# Allegro board T736_DEMO_DBOARD_V0-5-draft.brd (continued)
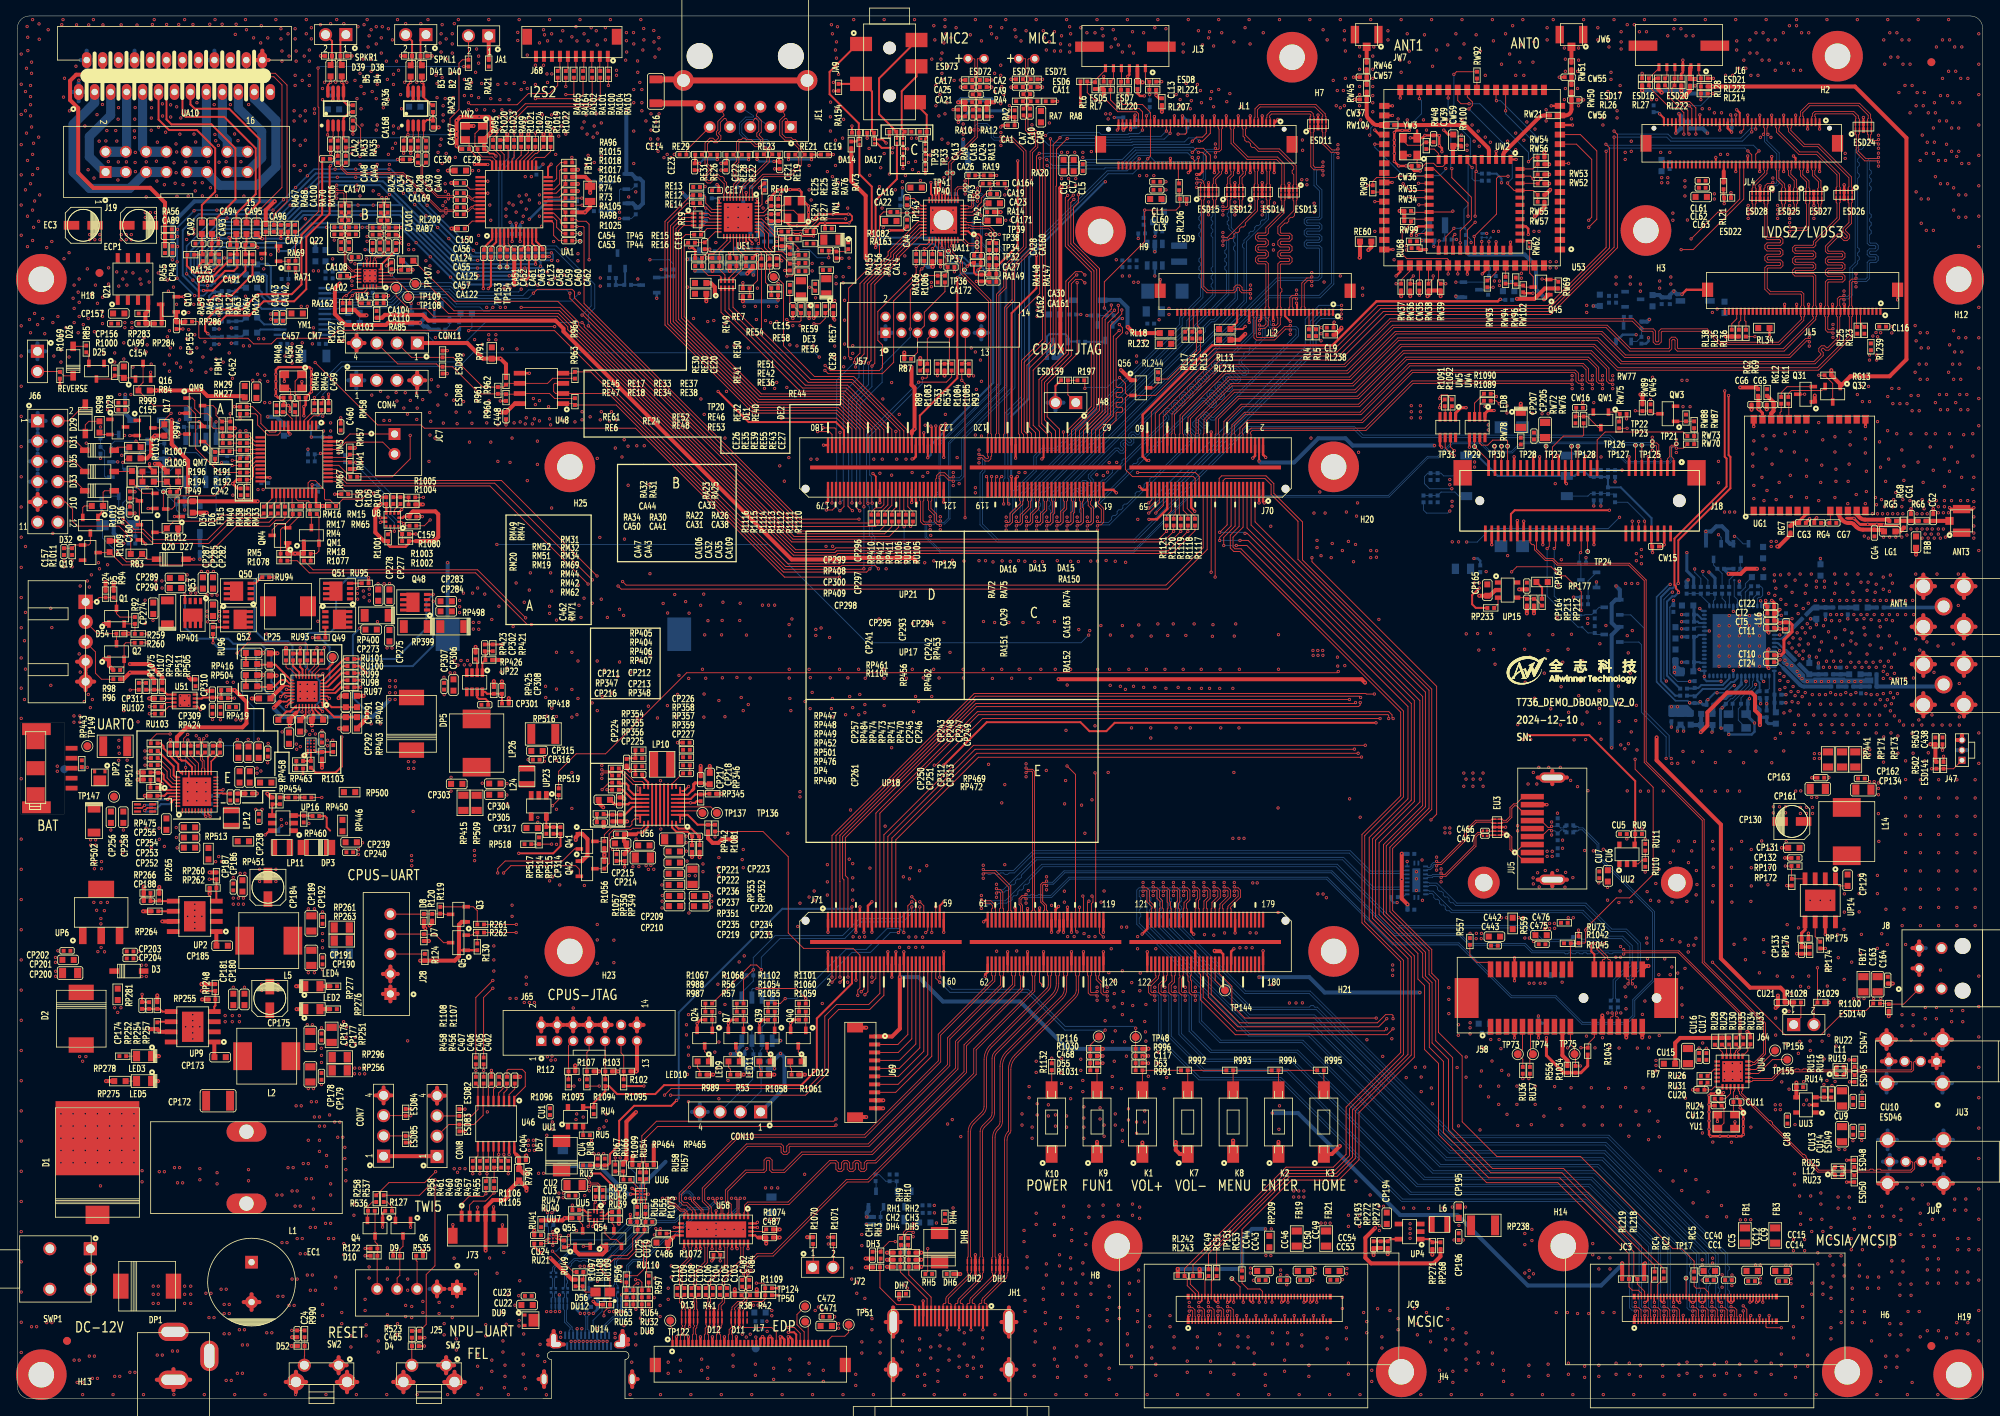
[diagram p0: board, top side]
## Routing (per net, layer and track width the routed paths; a pad name or vN(x,y) marks a point on that pad's centre or on a via; arc(x,y) is an arc through that point) (continued)
GND-BAT:
  vias: v1(20.43,88.09) v1(20.42,86.93) v1(20.95,87.5) v1(21.48,88.09) v1(21.48,86.92)
GND_ADC: length 385.1
  TOP w0.381: CT2.2 CT22.1 219.02,99.5 v1(219.02,100.05) ; v1(219.4,91.54) 219.23,91.71 CT24.1 CT10.1 219.23,93.78 v1(219.4,93.95) ; CT5.2 CT11.2 219.23,96.16 v1(219.4,95.99)
  TOP w0.508: ANT5.2 245.3,92.05 ; ANT5.2 242.4,92.05 ; ANT5.2 243.85,93.5 ; ANT5.2 243.85,90.6 ; ANT5.3 240.22,92.05 ; ANT5.3 238.77,90.6 ; ANT5.3 238.77,93.5 ; ANT5.3 237.32,92.05 ; 242.4,86.97 ANT5.5 ; ANT5.5 243.85,85.52 ; ANT5.5 245.3,86.97 ; ANT5.5 243.85,88.42 ; 242.4,101.83 ANT4.2 ; ANT4.2 243.85,100.38 ; ANT4.2 243.85,103.28 ; ANT4.2 245.3,101.83 ; ANT4.4 240.22,96.75 ; ANT4.4 237.32,96.75 ; ANT4.4 238.77,98.2 ; ANT4.4 238.77,95.3 ; ANT4.5 245.3,96.75 ; ANT4.5 243.85,98.2 ; ANT4.5 243.85,95.3 ; ANT4.5 242.4,96.75 ; 237.32,86.97 ANT5.4 ; ANT5.4 240.22,86.97 ; ANT5.4 238.77,85.52 ; ANT5.4 238.77,88.42 ; 237.32,101.83 ANT4.3 ; ANT4.3 238.77,103.28 ; ANT4.3 240.22,101.83 ; ANT4.3 238.77,100.38
  L2GND w0.508: ANT4.5 243.85,98.2 ; ANT4.5 243.85,95.3 ; ANT4.5 242.4,96.75 ; ANT4.5 245.3,96.75 ; ANT5.2 243.85,93.5 ; ANT5.2 242.4,92.05 ; ANT5.2 245.3,92.05 ; ANT5.2 243.85,90.6 ; ANT4.3 238.77,103.28 ; ANT4.3 237.32,101.83 ; ANT4.3 240.22,101.83 ; ANT4.3 238.77,100.38 ; 237.32,92.05 ANT5.3 ; ANT5.3 238.77,90.6 ; ANT5.3 240.22,92.05 ; ANT5.3 238.77,93.5 ; 243.85,85.52 ANT5.5 ; ANT5.5 242.4,86.97 ; ANT5.5 245.3,86.97 ; ANT5.5 243.85,88.42 ; ANT4.2 243.85,103.28 ; ANT4.2 243.85,100.38 ; ANT4.2 242.4,101.83 ; ANT4.2 245.3,101.83 ; 238.77,95.3 ANT4.4 ; ANT4.4 240.22,96.75 ; ANT4.4 237.32,96.75 ; ANT4.4 238.77,98.2 ; ANT5.4 240.22,86.97 ; ANT5.4 238.77,88.42 ; ANT5.4 238.77,85.52 ; ANT5.4 237.32,86.97
  L3 w0.508: 242.4,96.75 ANT4.5 ; ANT4.5 245.3,96.75 ; ANT4.5 243.85,95.3 ; ANT4.5 243.85,98.2 ; 242.4,92.05 ANT5.2 ; ANT5.2 243.85,90.6 ; ANT5.2 243.85,93.5 ; ANT5.2 245.3,92.05 ; ANT5.5 243.85,88.42 ; ANT5.5 243.85,85.52 ; ANT5.5 242.4,86.97 ; ANT5.5 245.3,86.97 ; 243.85,100.38 ANT4.2 ; ANT4.2 245.3,101.83 ; ANT4.2 242.4,101.83 ; ANT4.2 243.85,103.28 ; 238.77,90.6 ANT5.3 ; ANT5.3 238.77,93.5 ; ANT5.3 240.22,92.05 ; ANT5.3 237.32,92.05 ; ANT5.4 240.22,86.97 ; ANT5.4 237.32,86.97 ; ANT5.4 238.77,88.42 ; ANT5.4 238.77,85.52 ; 237.32,101.83 ANT4.3 ; ANT4.3 238.77,103.28 ; ANT4.3 238.77,100.38 ; ANT4.3 240.22,101.83 ; ANT4.4 238.77,98.2 ; ANT4.4 237.32,96.75 ; ANT4.4 240.22,96.75 ; ANT4.4 238.77,95.3
  L4 w0.508: ANT4.2 243.85,103.28 ; ANT4.2 243.85,100.38 ; ANT4.2 245.3,101.83 ; ANT4.2 242.4,101.83 ; ANT5.3 238.77,93.5 ; ANT5.3 238.77,90.6 ; ANT5.3 240.22,92.05 ; ANT5.3 237.32,92.05 ; ANT5.4 238.77,88.42 ; ANT5.4 237.32,86.97 ; ANT5.4 238.77,85.52 ; ANT5.4 240.22,86.97 ; 238.77,95.3 ANT4.4 ; ANT4.4 237.32,96.75 ; ANT4.4 240.22,96.75 ; ANT4.4 238.77,98.2 ; ANT5.5 245.3,86.97 ; ANT5.5 242.4,86.97 ; ANT5.5 243.85,88.42 ; ANT5.5 243.85,85.52 ; ANT4.3 238.77,103.28 ; ANT4.3 237.32,101.83 ; ANT4.3 238.77,100.38 ; ANT4.3 240.22,101.83 ; ANT5.2 245.3,92.05 ; ANT5.2 243.85,93.5 ; ANT5.2 243.85,90.6 ; ANT5.2 242.4,92.05 ; ANT4.5 245.3,96.75 ; ANT4.5 243.85,98.2 ; ANT4.5 243.85,95.3 ; ANT4.5 242.4,96.75
  L5GND w0.508: 238.77,90.6 ANT5.3 ; ANT5.3 237.32,92.05 ; ANT5.3 240.22,92.05 ; ANT5.3 238.77,93.5 ; 243.85,100.38 ANT4.2 ; ANT4.2 243.85,103.28 ; ANT4.2 242.4,101.83 ; ANT4.2 245.3,101.83 ; 238.77,85.52 ANT5.4 ; ANT5.4 240.22,86.97 ; ANT5.4 237.32,86.97 ; ANT5.4 238.77,88.42 ; ANT4.4 240.22,96.75 ; ANT4.4 238.77,95.3 ; ANT4.4 238.77,98.2 ; ANT4.4 237.32,96.75 ; 242.4,92.05 ANT5.2 ; ANT5.2 243.85,90.6 ; ANT5.2 245.3,92.05 ; ANT5.2 243.85,93.5 ; ANT4.3 240.22,101.83 ; ANT4.3 237.32,101.83 ; ANT4.3 238.77,100.38 ; ANT4.3 238.77,103.28 ; 242.4,96.75 ANT4.5 ; ANT4.5 243.85,98.2 ; ANT4.5 243.85,95.3 ; ANT4.5 245.3,96.75 ; 242.4,86.97 ANT5.5 ; ANT5.5 245.3,86.97 ; ANT5.5 243.85,85.52 ; ANT5.5 243.85,88.42
  BOTTOM w0.114: v1(216.56,89.92) 216.56,89.44 214.85,87.73 214.66,87.73 CT33.2 ; 216.99,88.39 v1(216.99,87.73)
  BOTTOM w0.127: v1(206.58,89.94) 206.27,90.25 206.27,100.18 207.19,101.09 v1(207.34,101.09) ; v1(209.5,89.89) 207.97,89.89 207.01,90.86 207.01,99.18 207.26,99.44 207.45,99.44 CT8.1 ; v1(217.75,89.51) 217.75,89.15 216.99,88.39
  BOTTOM w0.152: v1(220.77,93.75) 220.77,93.83 220.38,94.22 UT1.10
  BOTTOM w0.178: v1(212.93,88.47) 213.99,88.47 214.02,88.5 214.02,88.5 214.9,89.37 v1(215.09,89.37)
  BOTTOM w0.203: v1(207.06,102.06) 206.93,102.06 205.36,100.48 205.36,89.84 207.72,87.48 209.24,87.48 v1(209.5,87.22)
  BOTTOM w0.254: UT1.19 218.47,90.19 v1(218.77,89.89) ; UT1.48 211.08,98.72 v1(210.77,99.03) ; UT1.11 219.64,93.72 v1(219.4,93.95) ; UT1.15 219.58,91.72 v1(219.4,91.54) ; UT1.23 216.47,90 v1(216.56,89.92) ; UT1.2 220.93,98.22 v1(220.98,98.17) ; UT1.63 218.97,100 v1(219.02,100.05) ; UT1.6 219.64,96.22 v1(219.4,95.99) ; v1(210.69,91.41) 210.89,91.22 UT1.33 v1(211.34,90.53) 211.34,90.21 211.62,89.92 v1(213.43,89.92) ; UT1.7 v1(220.79,95.72) ; v1(212.93,88.47) 212.65,88.47 v1(211.78,87.6) ; UT1.26 v1(214.97,91.27) ; UT1.62 218.47,99.92 v1(218.39,100)
  BOTTOM w0.305: v1(217.63,84.68) 217.63,83.6 217.27,83.25 v1(214.4,83.25) ; UT1.55 v1(214.97,98.68) ; UT1.43 v1(211.96,96.22)
  BOTTOM w0.381: v1(225.37,97) L17.2 v1(224.64,97.74) ; CT35.2 v1(207.21,84.18) ; CT33.2 214.03,87.05 v1(213.56,86.59) 213.36,86.39 213.36,84.12 v1(213.43,84.05) 213.45,84.06 Y4.2 214.37,83.28 v1(214.4,83.25) ; CT36.2 212.37,83.62 v1(212.29,83.54) ; v1(221.56,88.24) CT27.1 ; CT30.1 v1(219.15,87.1) CT37.2 ; L19.1 v1(224.48,93.07) ; v1(208.74,83.67) 208.74,84.1 CT34.2 207.97,84.1 v1(207.97,83.67) ; CT8.1 v1(207.47,100.05) ; v1(229.31,97.73) CT13.1 ; v1(218.39,87.1) 218.39,87.69 CT29.1 ; CT12.2 v1(208.48,96.49) ; v1(209.5,89.89) 209.54,89.93 CT39.2 ; v1(226.52,97.64) RT11.2 ; v1(221.56,87.22) CT28.1 ; CT7.1 v1(208.48,97.38) ; v1(216.99,87.73) 216.78,87.52 CT32.2 216.78,86.02 Y4.4 216.57,85.74 v1(217.63,84.68) ; v1(225.63,92.21) RT12.1 ; CT26.2 v1(208.48,92.3) ; CT6.1 v1(208.48,98.27) ; CT14.1 v1(208.48,95.48) ; v1(211.78,87.6) 211.61,87.43 CT31.1 211.19,86.97 v1(210.81,87.35) 210.64,87.18 CT38.2 209.54,87.18 v1(209.5,87.22) ; CT21.1 227.83,91.63 v1(227.79,91.67) ; CT1.2 v1(215.72,102.46)
  BOTTOM w0.508: ANT4.5 243.85,98.2 ; ANT4.5 243.85,95.3 ; ANT4.5 245.3,96.75 ; ANT4.5 242.4,96.75 ; ANT4.4 238.77,98.2 ; ANT4.4 237.32,96.75 ; ANT4.4 240.22,96.75 ; ANT4.4 238.77,95.3 ; 243.85,100.38 ANT4.2 ; ANT4.2 242.4,101.83 ; ANT4.2 243.85,103.28 ; ANT4.2 245.3,101.83 ; ANT5.5 243.85,88.42 ; ANT5.5 242.4,86.97 ; ANT5.5 243.85,85.52 ; ANT5.5 245.3,86.97 ; 238.77,90.6 ANT5.3 ; ANT5.3 238.77,93.5 ; ANT5.3 240.22,92.05 ; ANT5.3 237.32,92.05 ; 242.4,92.05 ANT5.2 ; ANT5.2 243.85,90.6 ; ANT5.2 245.3,92.05 ; ANT5.2 243.85,93.5 ; ANT4.3 240.22,101.83 ; ANT4.3 238.77,103.28 ; ANT4.3 238.77,100.38 ; ANT4.3 237.32,101.83 ; 237.32,86.97 ANT5.4 ; ANT5.4 238.77,88.42 ; ANT5.4 240.22,86.97 ; ANT5.4 238.77,85.52
  vias: v1(213.18,96.88) v1(213.18,95.61) v1(213.18,94.34) v1(213.18,93.07) v1(213.18,91.8) v1(214.45,98.15) v1(214.45,96.88) v1(214.45,95.61) v1(214.45,94.34) v1(214.45,93.07) v1(214.45,91.8) v1(215.72,98.15) v1(215.72,96.88) v1(215.72,95.61) v1(215.72,94.34) v1(215.72,93.07) v1(215.72,91.8) v1(216.99,98.15) v1(216.99,96.88) v1(216.99,95.61) v1(216.99,94.34) v1(216.99,93.07) v1(216.99,91.8) v1(218.26,98.15) v1(218.26,96.88) v1(218.26,95.61) v1(218.26,94.34) v1(218.26,93.07) v1(218.26,91.8) v1(219.4,100.94) v1(220.11,103.25) v1(220.11,102.49) v1(220.17,100.69) v1(220.29,101.57) v1(220.8,90.91) v1(220.8,90.02) v1(220.8,88.87) v1(220.88,103.25) v1(220.93,100.18) v1(221.31,90.53) v1(221.31,85.95) v1(221.44,92.56) v1(221.44,89.13) v1(221.56,101.83) v1(221.56,99.54) v1(221.69,92.05) v1(221.82,89.89) v1(221.94,103.35) v1(221.94,94.72) v1(222.07,86.21) v1(222.2,88.62) v1(222.32,101.07) v1(222.32,97.76) v1(222.32,94.08) v1(222.3,91.87) v1(222.32,87.35) v1(222.45,95.35) v1(222.45,89.26) v1(222.63,84.48) v1(222.71,102.59) v1(222.71,88.11) v1(222.83,99.42) v1(222.83,93.57) v1(222.96,95.99) v1(222.96,91.16) v1(223.09,98.4) v1(223.09,88.62) v1(223.09,87.22) v1(223.14,85.67) v1(223.21,94.46) v1(223.21,93.19) v1(223.21,90.65) v1(223.34,103.35) v1(223.34,95.22) v1(223.59,96.62) v1(223.57,90.25) v1(223.59,87.99) v1(223.72,99.03) v1(223.72,93.7) v1(223.67,92.74) v1(223.98,100.94) v1(223.98,95.99) v1(223.98,88.49) v1(224.03,84.48) v1(224.1,101.96) v1(224.23,97.13) v1(224.23,89.89) v1(224.36,99.69) v1(224.36,94.59) v1(224.51,87.05) v1(224.61,96.62) v1(224.74,103.35) v1(224.86,88.24) v1(225.04,85.67) v1(225.12,95.48) v1(225.25,100.05) v1(225.25,89.89) v1(225.37,102.46) v1(225.37,101.7) v1(225.37,92.94) v1(225.75,93.83) v1(225.75,88.24) v1(225.91,87.05) v1(225.93,84.48) v1(226.01,94.84) v1(226.01,89.89) v1(226.26,100.05) v1(226.26,96.88) v1(226.26,91.67) v1(226.39,102.46) v1(226.39,101.7) v1(226.44,85.67) v1(226.52,88.24) v1(226.64,92.43) v1(226.9,96.11) v1(226.9,89.89) v1(227.02,91.67) v1(227.15,98.27) v1(227.15,88.49) v1(227.18,87.05) v1(227.28,100.05) v1(227.28,97.51) v1(227.28,93.7) v1(227.33,84.48) v1(227.53,92.43) v1(227.66,103.35) v1(227.66,100.94) v1(227.66,89.89) v1(227.71,85.67) v1(227.79,102.21) v1(227.79,95.35) v1(227.79,88.24) v1(227.91,98.27) v1(228.29,100.05) v1(228.29,97.51) v1(228.42,92.43) v1(228.42,88.24) v1(228.55,98.27) v1(228.55,89.89) v1(228.57,87.05) v1(228.6,84.48) v1(228.67,94.46) v1(228.93,96.37) v1(229.06,103.35) v1(229.06,88.49) v1(229.11,85.67) v1(229.18,100.05) v1(229.18,91.67) v1(229.31,102.08) v1(229.44,89.89) v1(229.56,93.45) v1(229.69,94.97) v1(229.69,92.3) v1(229.69,88.24) v1(229.82,95.99) v1(229.94,101.07) v1(229.99,84.48) v1(230.07,100.05) v1(230.07,98.27) v1(230.1,87.05) v1(230.2,91.67) v1(230.2,89.89) v1(230.33,94.59) v1(230.33,88.49) v1(230.45,97.64) v1(230.58,103.35) v1(230.63,85.67) v1(230.71,92.3) v1(230.83,100.05) v1(230.96,102.34) v1(230.96,98.27) v1(230.96,89.89) v1(231.09,91.67) v1(231.34,97.76) v1(231.34,96.62) v1(231.47,95.73) v1(231.49,87.05) v1(231.52,84.48) v1(231.6,92.3) v1(231.6,88.37) v1(231.72,101.32) v1(231.72,100.05) v1(231.72,98.27) v1(231.72,93.32) v1(231.85,102.34) v1(231.98,91.67) v1(232.03,85.67) v1(232.1,94.46) v1(232.23,103.35) v1(232.23,97.64) v1(232.23,88.24) v1(232.48,92.3) v1(232.61,100.05) v1(232.61,98.27) v1(232.74,101.07) v1(232.76,87.05) v1(232.87,102.08) v1(232.87,91.67) v1(232.92,84.48) v1(232.99,88.24) v1(233.12,95.61) v1(233.25,97.51) v1(233.3,85.67) v1(233.37,100.05) v1(233.37,96.75) v1(233.37,92.43) v1(233.37,87.6) v1(233.5,94.08) v1(233.63,98.27) v1(233.75,102.97) v1(233.75,101.45) v1(233.75,91.16) v1(233.75,90.27) v1(233.75,88.37) v1(233.88,91.8) v1(234.01,86.84) v1(234.14,100.05) v1(234.14,97.64) v1(234.19,84.48) v1(234.26,90.78) v1(234.26,87.6) v1(234.39,92.43) v1(234.52,101.19) v1(234.52,98.27) v1(234.52,95.61) v1(234.64,103.23) v1(234.64,90.27) v1(234.64,88.49) v1(234.64,86.21) v1(234.77,91.67) v1(234.77,87.1) v1(234.9,102.21) v1(234.9,100.05) v1(234.9,97.51) v1(235.02,87.86) v1(235.15,93.32) v1(235.15,90.91) v1(235.15,85.57) v1(235.41,94.72) v1(235.53,98.27) v1(235.53,90.27) v1(235.53,88.37) v1(235.79,100.05) v1(235.79,84.94) v1(236.29,84.43) v1(236.42,93.95) v1(236.55,100.05) v1(236.55,98.27) v1(236.55,90.27) v1(237.44,100.05) v1(237.44,84.43) v1(237.54,90.32) v1(237.56,98.27) v1(237.82,103.35) v1(237.82,95.22) v1(238.2,85.06) v1(238.33,93.83) v1(238.58,84.43) v1(239.22,94.84) v1(239.85,85.7) v1(239.98,84.43) v1(240.1,91.03) v1(240.49,103.35) v1(240.61,94.34) v1(241.12,84.43) v1(242.14,84.43) v1(242.52,94.59) v1(243.15,103.35) v1(243.15,99.42) v1(243.28,89.64) v1(243.28,85.45) v1(243.28,84.43)
GND_SIGNAL: length 8.3
  TOP w0.381: UG1.24 v1(217.52,121.84) ; v1(224.52,110.27) 224.06,109.81 CG3.1 ; v1(240.01,111.54) CG2.1 ; UG1.13 v1(231.52,121.84) ; v1(237.22,111.54) CG1.1 ; v1(245.09,111.67) 244.92,111.49 ANT3.2 242.22,111.49 v1(242.05,111.67)
  TOP w0.508: CG6.1 v1(217.25,123.95) ; CG5.1 v1(219.16,124)
  vias: v1(217.41,118.4) v1(217.41,116.88) v1(217.54,120.05) v1(217.54,114.46) v1(217.54,112.81) v1(218.55,115.48) v1(218.68,120.69) v1(218.81,112.56) v1(219.06,119.03) v1(219.19,113.83) v1(219.82,117.13) v1(220.08,120.69) v1(220.33,112.68) v1(220.71,114.84) v1(220.96,118.78) v1(221.47,120.94) v1(222.11,115.73) v1(222.23,113.07) v1(222.62,121.19) v1(222.62,118.65) v1(224.14,121.19) v1(224.14,117.64) v1(224.14,115.61) v1(224.14,112.94) v1(225.66,122.34) v1(225.66,112.56) v1(225.92,114.84) v1(226.04,117) v1(226.17,120.18) v1(227.7,120.56) v1(227.7,118.65) v1(227.7,112.94) v1(227.82,116.49) v1(227.82,114.97) v1(229.35,114.97) v1(229.31,112.18) v1(229.47,117.13) v1(229.6,121.19) v1(229.6,119.54) v1(230.08,110.32) v1(230.36,113.32) v1(231.38,108.11) v1(231.51,120.3) v1(231.51,118.53) v1(231.51,112.18) v1(231.63,116.24) v1(231.63,113.7) v1(231.81,109.59) v1(231.89,107.86) v1(232.39,110.91) v1(232.78,112.94) v1(232.9,112.05) v1(233.03,122.46) v1(233.03,110.91) v1(232.95,109.59) v1(233.28,119.92) v1(233.41,116.75) v1(233.54,112.68) v1(233.66,110.91) v1(233.79,109.51) v1(233.79,107.99) v1(233.92,111.8) v1(234.05,114.97) v1(234.3,121.32) v1(234.3,110.91) v1(234.43,117.76) v1(234.55,107.99) v1(234.93,111.8) v1(234.93,110.91) v1(235.06,112.68) v1(235.32,113.57) v1(235.32,107.99) v1(235.44,120.94) v1(235.57,110.91) v1(235.72,109.43) v1(236.08,118.91) v1(236.08,111.8) v1(236.08,107.99) v1(236.2,112.68) v1(236.2,110.91) v1(236.33,116.88) v1(236.33,115.1) v1(236.71,108.24) v1(237.09,112.56) v1(237.22,120.94) v1(237.22,109) v1(237.98,112.18) v1(237.98,110.91) v1(237.98,109) v1(238.11,117.38) v1(238.62,112.68) v1(238.62,110.91) v1(238.62,109) v1(238.62,107.86) v1(238.74,114.84) v1(238.87,111.54) v1(239,108.37) v1(239.13,120.94) v1(239.25,110.91) v1(239.25,109) v1(239.38,107.86) v1(239.51,112.43) v1(239.63,119.29) v1(239.76,108.37) v1(239.89,109) v1(240.01,116.37) v1(240.14,107.86) v1(240.27,120.94) v1(240.4,112.56) v1(240.65,111.8) v1(240.65,111.03) v1(240.65,109) v1(240.65,108.37) v1(240.9,107.86) v1(241.28,111.03) v1(241.28,109) v1(241.41,117.76) v1(241.41,114.34) v1(241.41,112.56) v1(241.41,111.8) v1(241.54,107.99) v1(241.92,111.03) v1(242.05,120.94) v1(242.05,116.24) v1(242.05,108.49) v1(242.3,119.29) v1(242.3,112.56) v1(243.06,117.38) v1(243.44,112.56) v1(243.57,115.48) v1(243.82,120.81) v1(244.33,112.56) v1(244.97,120.94) v1(244.97,118.15) v1(244.97,113.95) v1(245.09,115.48) v1(245.09,112.43) v1(245.09,110.53) v1(245.09,109.38) v1(245.09,108.49) v1(245.09,107.86)
VBAT-H: length 24.2
  TOP w0.203: UP21.20 33.76,88.85 v1(33.71,88.9)
  L4 w0.305: v1(18.14,101.6) 19.84,99.9 19.84,95.45 22.12,93.17 25.78,93.17 29.24,89.71 31.62,89.71 32.44,88.9 v1(33.71,88.9)
  vias: v1(9.17,70.04) v1(9.18,69.38) v1(9.8,70.04) v1(9.79,69.37) v1(17.35,102.49) v1(17.35,101.6) v1(18.11,102.49) v1(27.38,85.08) v1(27.98,85.05)
VBUS: length 16.9
  TOP w0.203: UP21.3 38.82,88.05 v1(39.09,87.78)
  TOP w0.508: RP402.2 v1(43.38,88.09)
  L4 w0.305: v1(39.09,87.78) 39.14,87.78 39.85,87.07 42.37,87.07 v1(43.38,88.09) 43.41,88.09 44.32,89 44.32,96.6 v1(45.11,97.38)
VBUS-5V-1:
  vias: v1(191.64,68.61) v1(191.64,67.97) v1(192.28,68.61) v1(192.28,67.97)
VBUS-5V-2: length 6.8
  TOP w0.508: JU4.1 241.41,29.7 ; JU4.1 240.56,30.56 ; JU4.1 239.71,29.7 ; JU4.1 240.56,28.85 ; JU3.1 241.29,42.28 ; JU3.1 240.44,41.42 ; JU3.1 240.44,43.13 ; JU3.1 239.58,42.28
VBUS-AXP515-ONBOARD: length 17.9
  TOP w0.508: RP476.1 v1(15.06,77.6)
  L3 w0.508: v1(31.36,79.71) 26.64,79.71 25.17,78.23 17.6,78.23 16.97,77.6 v1(15.06,77.6)
  vias: v1(34.95,82.04) v1(34.99,81.39) v1(35.45,81.72)
VBUSM: length 1.7
  TOP w0.114: RU29.2 214.12,43.81 UU4.17
VCC: length 3.4
  TOP w0.203: UP21.19 34.02,89.25 33.91,89.36 33.3,89.36
  TOP w0.508: CP298.1 33.3,89.36
VCC33-USB: length 104.8
  TOP w0.152: 77.53,26.03 UU6.A3
  TOP w0.254: v1(76.99,26.37) 77.11,26.37 77.45,26.03 77.53,26.03
  TOP w0.305: v1(130.37,58.48) 130.55,58.67 J71.97
  TOP w0.508: RU41.2 68.29,22.34 v1(68.58,22.63) RU40.2 ; v1(75.35,21.92) RU39.2 ; RP465.1 79.72,31.84 v1(79.73,31.85) ; RP464.1 77.05,30.23 v1(77.27,30.45)
  L3 w0.508: v1(75.35,21.92) 74.64,22.63 v1(68.58,22.63) ; v1(130.37,58.48) 130.35,58.47 130.35,58.34 129.16,57.15 121.36,57.15 119.56,55.35 119.56,45.54 104.17,30.15 96.29,30.15 94.59,31.85 v1(79.73,31.85) 78.66,31.85 v1(77.27,30.45)
  L4 w0.508: v1(75.35,21.92) 75.35,25.24 76.48,26.37 v1(76.99,26.37) 77.27,26.64 v1(77.27,30.45)
  BOTTOM w0.508: RU38.1 74.5,26.09 75.35,25.23 v1(75.35,21.92)
VCC33-USB-2: length 272.2
  TOP w0.305: v1(130.43,61.7) 130.05,61.32 J71.95
  TOP w0.381: RU68.2 175.68,144.02 v1(176.53,144.02)
  TOP w0.508: v1(174.15,61.95) 173.43,62.67 v1(173.43,65.07) v1(173.43,68.3) ; v1(168.83,89.74) 168.4,90.17 v1(130.43,90.17) ; v1(205.36,82.88) 205.36,80.01 213.41,71.96 213.41,55.17 217.07,51.51 220.88,51.51 221.4,50.99 CU21.2 R1028.2
  L3 w0.508: v1(173.43,68.3) 172.9,68.83 158.09,68.83 154.89,65.63 131.98,65.63 130.43,64.08 v1(130.43,61.7) ; v1(205.36,82.88) 203.84,84.4 203.84,87.12 196.22,94.74 173.84,94.74 v1(168.83,89.74)
  L4 w0.508: v1(176.53,144.02) 176.53,139.17 177.39,138.3 177.39,137.8 173.99,134.39 173.99,94.89 v1(168.83,89.74) ; v1(130.43,90.17) v1(130.43,61.7)
  BOTTOM w0.508: v1(173.43,68.3) 173.46,68.28 R1123.2 ; R1122.2 v1(174.15,61.95)
VCC33-VL: length 20.6
  TOP w0.508: v1(50.44,134.85) 46.46,134.85 46.18,134.57 41.15,134.57 39.78,135.94 39.78,139.17 v1(40.39,139.78)
  BOTTOM w0.508: v1(50.44,134.85) 50.39,134.8 RL233.2 ; v1(50.44,134.85) 50.9,134.39 51.33,134.39 51.74,133.99 RA132.1 ; v1(50.44,134.85) 51.03,135.43 RA145.2
VCC-1V8-AUDIO: length 90
  TOP w0.254: J70.135 112.55,112.36 v1(112.65,112.27)
  TOP w0.508: RA85.1 45.69,135.48 46.05,135.84 50.77,135.84 51.49,135.13 67.41,135.13 68.41,134.12 68.41,133.76 96.99,105.18 102.8,105.18 103,105.38 112.17,105.38 v1(112.65,104.9)
  L4 w0.508: v1(112.65,112.27) v1(112.65,104.9)
VCC-3V3: length 281.8
  TOP w0.254: JL1.77 138.45,159.12 v1(138.56,159) 138.95,159.39 JL1.75
  TOP w0.508: v1(63.78,26.06) 63.78,26.44 R790.2 61.52,26.01 61.52,25.4 61.01,24.89 59.56,24.89 58.66,23.99 J73.4 v1(58.66,18.55) ; v1(165.86,134.24) 165.86,134.11 165.1,133.35 RL238.2 ; RL28.2 209.55,163.96 208.79,163.19 v1(208.41,163.19) ; v1(215.82,126.75) 217.85,126.75 RG2.1 ; R535.1 v1(50.81,18.54) ; v1(220.47,106.81) 220.65,106.81 222.12,108.28 RG7.1 ; R1061.2 v1(98.66,40.61) ; R96.1 13.27,90.17 v1(14.1,91) 16.28,91 17.14,90.13 RP422.2 ; R53.2 v1(91,40.61) ; R1058.2 v1(94.83,40.61) ; R989.2 v1(87.17,40.61)
  L3 w0.508: v1(37.08,141.35) 36.17,142.27 24.69,142.27 24.43,142.52 21.11,142.52 19.68,141.1 v1(17.65,141.1) ; v1(208.41,163.19) 208.03,162.81 v1(205.36,162.81) ; v1(63.78,26.06) 64.08,26.37 68.83,26.37 71.37,28.91 72.82,28.91 73.43,28.3 77.83,28.3 79.93,30.4 93.52,30.4 95.81,28.12 v1(98.63,28.12) 104.22,28.12 121.64,45.54 121.64,47.6 129.44,55.4 146.68,55.4 148.23,53.85 157.89,53.85 160.17,51.56 171.4,51.56 172.29,52.45 v1(172.29,53.05) ; v1(98.66,40.61) v1(94.83,40.61) 94.15,39.93 91.47,39.93 91,40.39 v1(91,40.61) v1(87.17,40.61) ; v1(50.81,18.54) 58.65,18.54 v1(58.66,18.55)
  L4 w0.508: v1(98.66,40.61) 100.33,38.95 100.33,29.82 v1(98.63,28.12) ; v1(14.1,91) 12.47,92.62 12.47,93.27 11.48,94.26 11.48,100.18 12.78,101.47 12.78,104.11 14.38,105.71 14.38,107.62 18.03,111.28 18.03,124.13 18.14,124.23 18.14,127.38 17.65,127.86 v1(17.65,141.1)
  BOTTOM w0.508: J57.1 109.59,133.59 ; J57.1 107.93,133.59 ; J57.1 108.76,132.77 ; J57.1 108.76,134.42 ; 119.93,133.59 J57.13 ; J57.13 120.76,132.77 ; J57.13 120.76,134.42 ; J57.13 121.59,133.59 ; CL8.1 v1(138.56,159) ; RA161.1 119.1,156.01 118.49,156.62 v1(118.49,157.86)
  vias: v1(37.08,134.21) v1(37.08,133.58) v1(37.72,141.35) v1(59.05,133.35) v1(59.05,132.72) v1(59.94,133.35) v1(59.94,132.72) v1(66.34,166.04) v1(66.95,166.04) v1(73.03,140.46) v1(73.03,139.45) v1(75.06,166.5) v1(75.06,165.86) v1(118.49,159.77) v1(118.49,159.13) v1(118.49,158.5) v1(136.35,161.04) v1(136.65,160.4) v1(136.91,161.04) v1(162.31,93.78) v1(162.33,93.17) v1(162.92,93.78) v1(162.94,93.17) v1(162.92,63.27) v1(163.32,22.01) v1(163.53,93.78) v1(163.55,93.17) v1(163.58,63.25) v1(163.86,22) v1(163.98,62.79) v1(164.45,22) v1(165.23,162.05) v1(165.74,161.8) v1(166.24,162.05) v1(169.54,106.3) v1(169.54,105.41) v1(170.28,106.27) v1(170.26,105.46) v1(172.29,54.36) v1(172.29,53.72) v1(202.82,105.92) v1(202.82,105.03) v1(203.45,106.43) v1(203.45,105.54) v1(203.45,104.65) v1(204.72,162.81) v1(205.28,42.39) v1(205.28,41.76) v1(205.28,41.08) v1(213.87,111.12) v1(214.5,111.12) v1(215.14,111.12) v1(219.71,107.44) v1(219.71,106.81) v1(220.34,107.44) v1(232.03,130.81) v1(232.03,130.18) v1(232.92,130.81) v1(232.92,130.18)
VCC-3V3-CODEC: length 1.4
  TOP w0.203: v1(116.23,151.51) 116.37,151.37 116.37,150.97 116.23,150.82 UA11.15
VCC-3V3-DEV: length 1.2
  TOP w0.508: v1(169.24,143.97) 169.62,144.35 RE60.1
  vias: v1(154.43,58.39) v1(154.76,64.64) v1(155.19,58.37) v1(155.32,64.64) v1(157.35,144.65) v1(157.35,143.97) v1(174.02,144.53) v1(174.02,143.97) v1(180.9,158.37) v1(194.28,60.27) v1(194.92,60.27)
VCC-3V3-EN: length 178.5
  TOP w0.114: RP519.2 67.82,78.64 70,80.82 73.69,80.82 83.85,90.98 165.33,90.98 v1(165.48,91.14) ; J71.158 150.55,53.28 152.15,51.69 152.15,49.33 153.77,47.7 v1(170.23,47.7)
  L4 w0.114: v1(165.48,91.14) 165.48,67.89 174.28,59.09 174.28,51.28 170.7,47.7 v1(170.23,47.7)
VCC-3V3-GPHY: length 133.4
  TOP w0.203: J70.155 107.55,115.59 v1(107.19,115.95)
  TOP w0.508: RE60.2 168.2,143.05 v1(168.15,143) ; RE61.1 86.87,139.83 87.38,139.32 v1(87.38,138.43)
  L3 w0.508: v1(83.95,139.32) 84.83,138.43 v1(87.38,138.43) 99.54,138.43 v1(100,137.97) 100.46,138.43 148.97,138.43 153.52,142.98 164.97,142.98 165,143 v1(168.15,143)
  L4 w0.508: v1(83.31,151.13) 83.31,144.12 83.95,143.48 v1(83.95,142.82) v1(83.95,139.32) ; v1(107.19,115.95) 101.85,121.28 101.85,130.05 100.46,131.44 100.46,137.52 v1(100,137.97)
  BOTTOM w0.508: RE1.1 83.88,150.57 v1(83.31,151.13) ; v1(83.95,142.82) 85.2,142.82 RE4.1
VCC-3V3-PCIE: length 58
  TOP w0.305: 150.69,56.08 151.05,55.72 J71.160
  TOP w0.381: R1043.2 196.72,41.71 195.87,40.85 R1034.2 R556.2 193.72,40.85 191.56,43.01 v1(191.56,45.24)
  TOP w0.508: 150.69,56.08 150.04,56.08 v1(149.99,56.13)
  L3 w0.508: v1(149.99,56.13) 151.38,57.53 158.9,57.53 161.65,60.27 166.14,60.27 167.89,58.52 180.21,58.52 181.94,56.79 185.65,56.79 187.2,58.34 190.75,58.34 v1(191.34,58.93)
  vias: v1(191.36,59.56) v1(191.95,59.56) v1(191.95,58.93) v1(192.56,59.56) v1(192.58,58.95) v1(193.52,52.2) v1(225.12,80.85) v1(225.12,80.24) v1(225.76,80.85) v1(225.76,80.24)